# Altium PCB Hexapod_motherboard.PcbDoc (part 2 of 2)
Units mm, origin at the board's own origin, x right, y up, seen from the top; angles counter-clockwise.
Board outline 86 x 86 mm, 2 copper layers (Top Layer, Bottom Layer); 190 components, 154 nets, 690 pads, 82 vias.
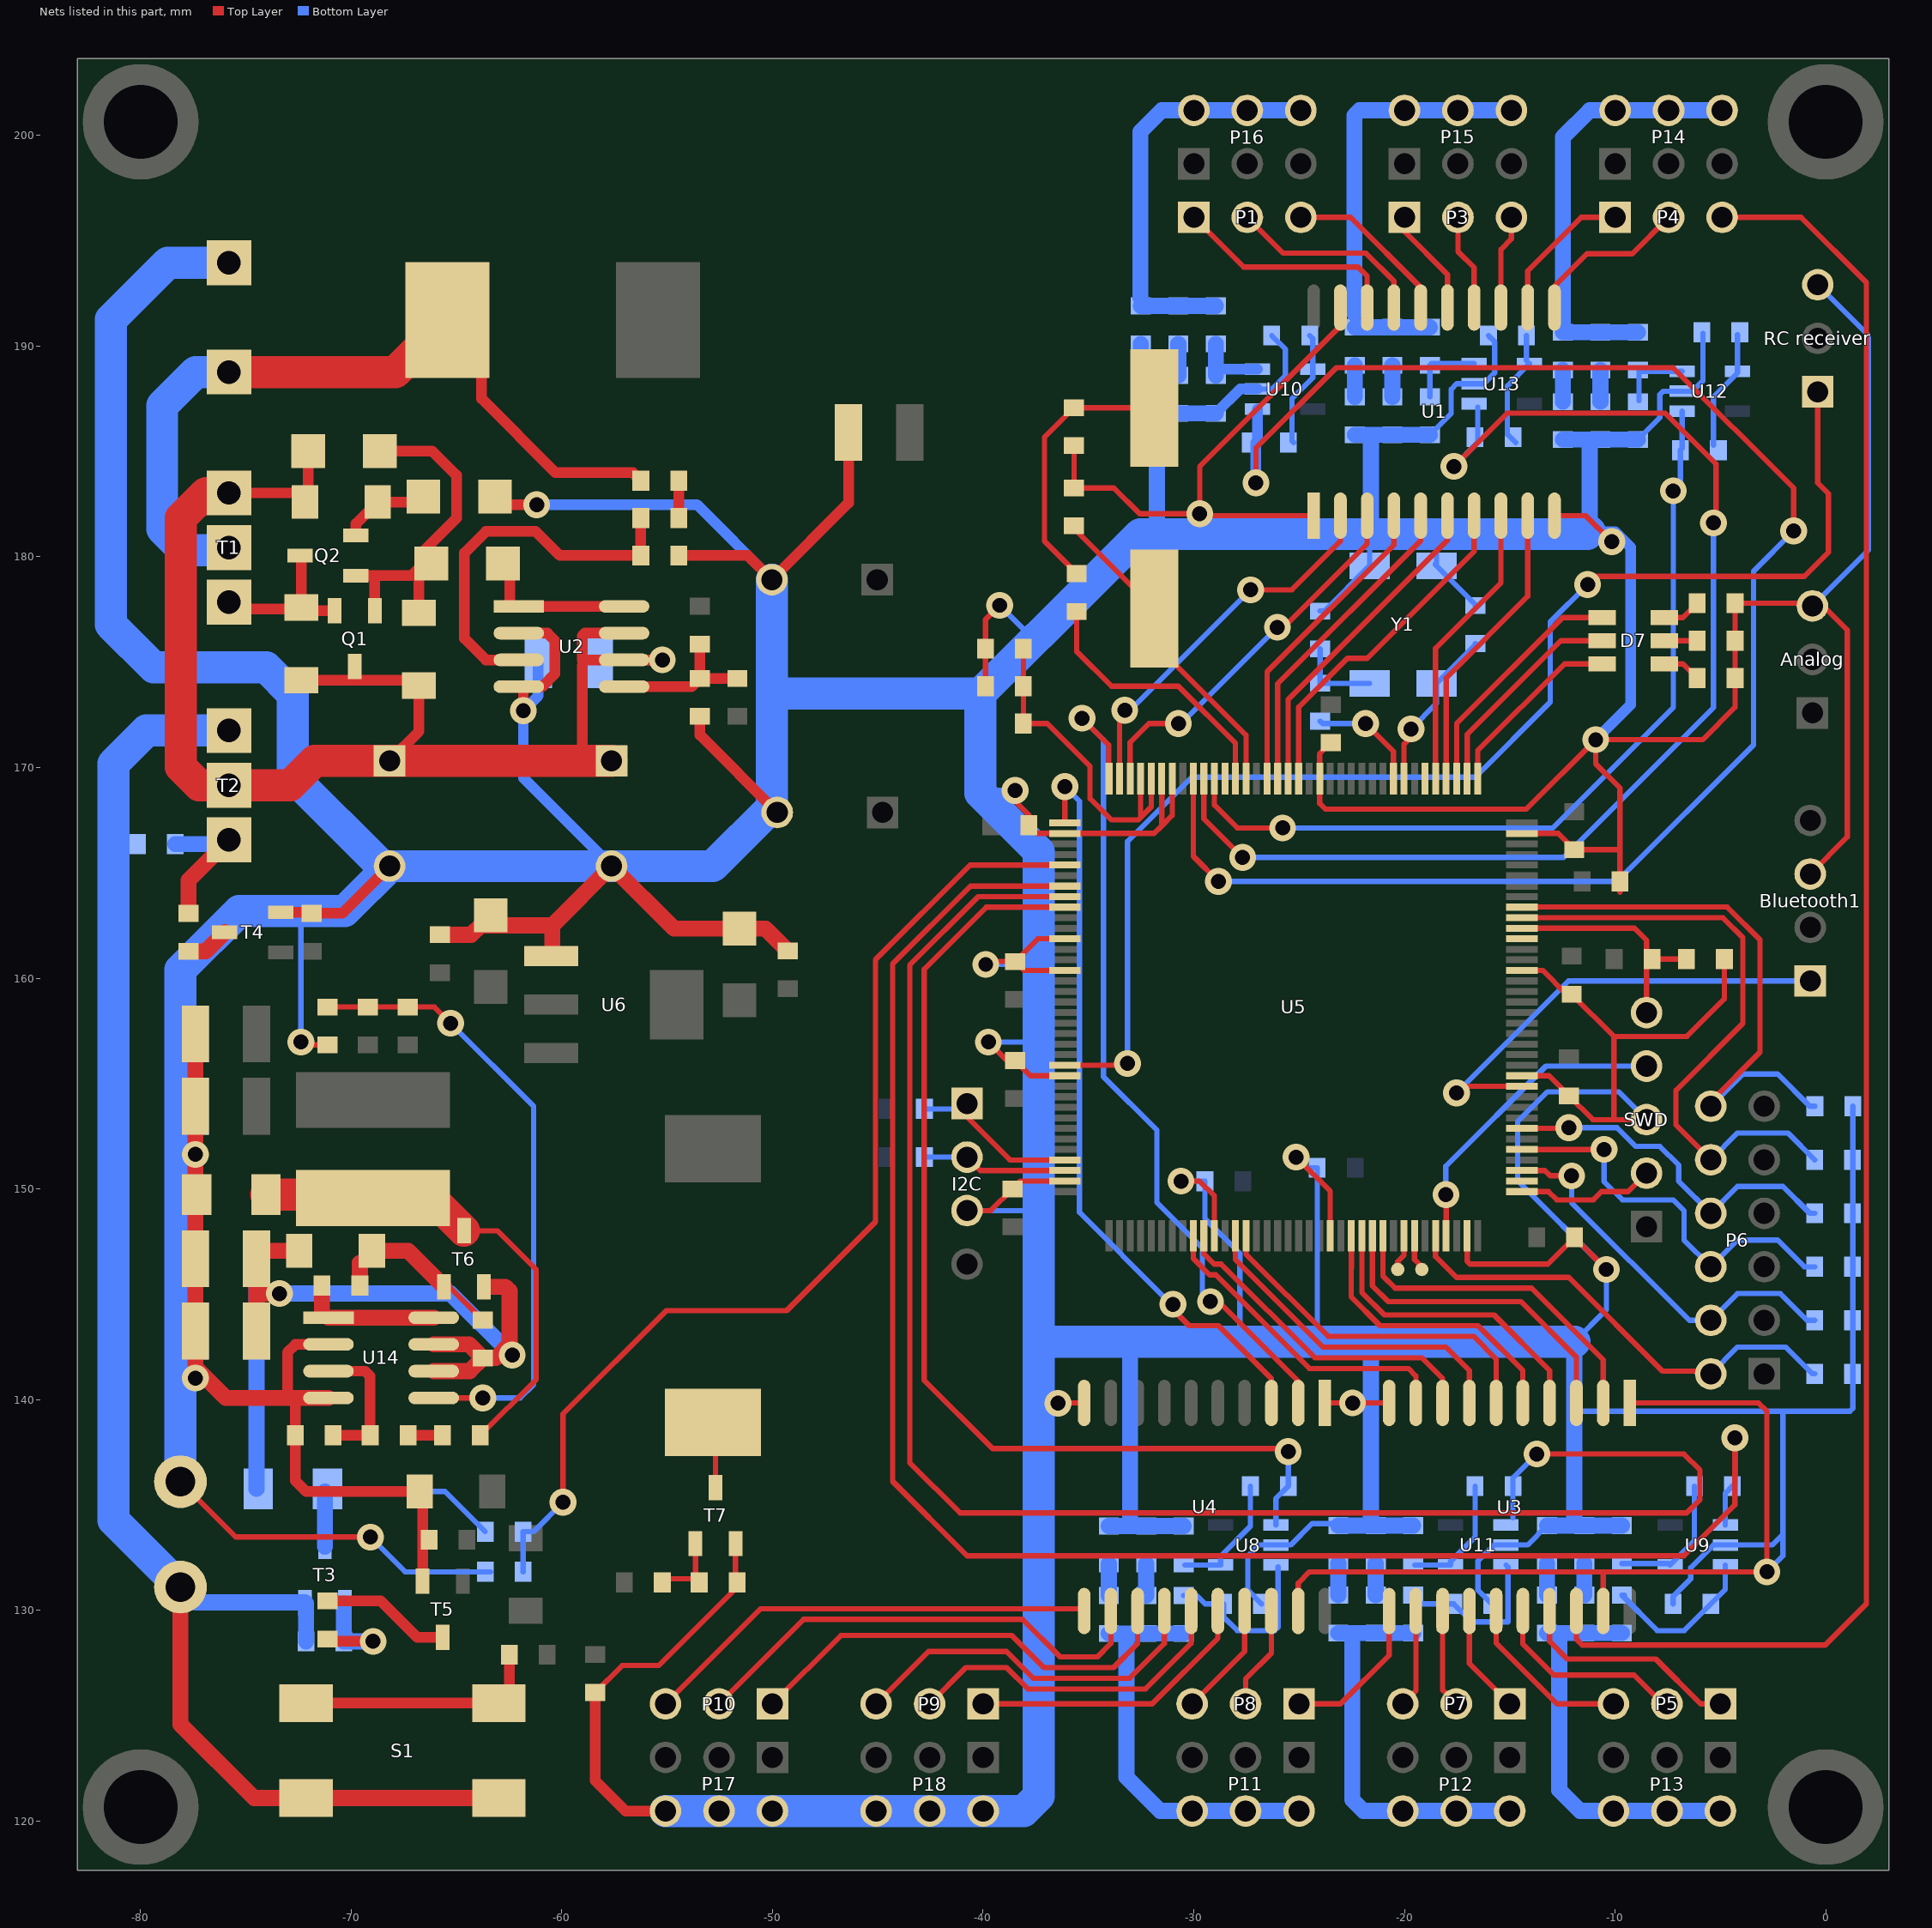
[diagram p2: the nets of this part, all layers, seen from the top]

## Via types
v1: diameter 1.27, hole 0.711, Top Layer to Bottom Layer, 82 vias

## Nets (pads, with @x,y where several pads share a name; then routed paths per layer and width w, separated by ;. In a path a pad name is that pad's centre, name@x,y a point inside that pad or via, vN(x,y) a via of type N, cw(c..) or ccw(c..) an arc to the next point about the centre after c; other vN are vias at no path point) (continued)
GND: "RC receiver.3" Analog.3 Bluetooth1.3 C1.N C2.N C3.1 C4.N C5.N C6.1 C9.2 C10.1 C11.2 C12.2 C13.1 C14.1 C15.1 C16.1 C17.1 C18.1 C19.1 C20.1 C21.1 C22.1 C23.1 C24.1 C25.1 C26.1 C27.1 C28.1 C29.1 C30.1 C32.1 C33.1 C34.1 C35.1 C36.1 C37.1 C38.1 C39.1 C41.2 C42.2 C46.1 C47.1 C48.1 C49.1 C50.1 C51.1 D3.A D8.A D9.A I2C.3 P2.2 P17.4 P17.5 P17.6 P18.4 P18.5 P18.6 R7.1 R9.1 R10.2 R11.1 R14.1 R15.2 R16.2 R17.2 R18.2 R19.2 R20.2 R21.2 R22.2 R34.2 R42.1 R43.2 R44.2 R45.1 R53.1 R54.1 R56.1 R57.1 R59.1 R60.1 R62.1 R65.1 R66.1 R76.1 R77.1 R78.1 R79.1 R80.1 R81.1 R85.1 R86.1 R87.1 SWD.3 T4.S T5.S T7.S U1.1 U1.10 U1.19 U2.2 U2.4 U3.1 U3.10 U3.19 U4.1 U4.10 U4.19 U5.16 U5.30 U5.31 U5.38 U5.48 U5.51 U5.61 U5.71 U5.83 U5.94 U5.107 U5.120 U5.130 U5.143 U6.1 U8.2 U9.2 U10.2 U11.2 U12.2 U13.2 U14.2 U14.4 Y1.2 Y1.3 | length 865
  Top Layer w0.254: P2.2@-78.105,136.104 -75.478,133.477 v1(-69.088,133.477) ; v1@-72.252,156.834 R7.1@-71.12,156.834 ; R43.2@-58.42,126.1 -57.139,127.381 -55.397,127.381 -51.755,131.023 T7.S@-51.755,133.166 ; I2C.3@-40.767,148.971 -39.635,148.971 C28.1@-38.608,149.998 -38.233,150.373 U5.71@-36.123,150.373 ; C19.1@-39.889,173.863 C18.1@-39.889,175.641 -39.889,177.027 v1(-39.218,177.698) ; v1(-39.878,160.655) -39.74,160.793 C21.1@-38.481,160.793 ; v1(-39.751,156.972) -38.873,156.094 C27.1@-38.481,156.094 -37.76,155.373 U5.61@-36.123,155.373 ; v1(-38.481,168.91) -38.481,168.402 -37.835,167.756 C23.1@-37.835,167.259 -37.449,166.873 U5.38@-36.123,166.873 -31.882,166.873 -31.523,167.232 ; v1(-36.449,139.827) -36.435,139.841 U4.10@-35.207,139.841 ; U5.51@-36.123,160.373 -38.061,160.373 C21.1@-38.481,160.793 ; U5.48@-36.123,161.873 -37.401,161.873 C21.1@-38.481,160.793 ; C17.1@-35.687,185.282 C16.1@-35.687,183.272 -33.793,183.272 -32.567,182.046 v1(-29.718,182.046) ; U5.31@-31.523,169.473 -31.523,167.232 ; U5.30@-31.023,169.473 -31.023,167.732 -31.523,167.232 ; v1(-30.607,150.368) -29.718,150.368 -29.023,149.673 U5.83@-29.023,147.773 ; v1(-25.146,151.511) -23.523,149.888 U5.94@-23.523,147.773 ; U4.19@-25.047,129.961 -25.047,131.29 -24.511,131.826 v1(-2.794,131.826) -2.794,139.446 -3.189,139.841 U3.1@-9.299,139.841 ; U1.1@-24.31,181.955 -29.809,181.955 v1(-29.718,182.046) ; U4.1@-23.777,139.841 v1(-22.465,139.841) U3.10@-20.729,139.841 ; C24.1@-23.495,171.185 -24.023,170.657 U5.16@-24.023,169.473 -24.023,168.295 -23.749,168.021 -14.224,168.021 v1(-10.922,171.323) ; U1.19@-23.04,191.835 -23.04,190.955 -29.718,184.277 v1(-29.718,182.046) ; U5.107@-17.023,147.773 -17.023,146.563 -16.891,146.431 -13.197,146.431 C29.1@-11.927,147.701 -11.927,147.69 v1(-10.414,146.177) ; U5.120@-14.423,155.373 -13.133,155.373 -12.192,154.432 C26.1@-12.192,154.421 -11.06,153.289 SWD.3@-8.509,153.289 ; U5.130@-14.423,160.373 -13.434,160.373 -12.308,159.247 C25.1@-12.065,159.247 -10.056,157.238 ; U5.143@-14.423,166.873 -12.706,166.873 C22.1@-11.938,166.105 -9.779,166.105 ; U1.10@-12.88,181.955 -11.394,181.955 v1(-10.16,180.721) ; U3.19@-10.569,129.961 -10.569,131.798 ; -10.056,153.312 -10.056,157.238 ; -9.768,164.084 R34.2@-9.768,164.592 -9.768,169.026 -10.922,170.18 v1(-10.922,171.323) ; C42.2@-4.815,160.909 -4.815,159.015 -6.592,157.238 -10.056,157.238 ; Analog.3@-0.762,177.8 R16.2@-4.307,177.8 R15.2@-4.307,176.022 R10.2@-4.307,174.244 -4.307,172.858 -5.842,171.323 v1(-10.922,171.323) ; Bluetooth1.3@-0.739,164.949 1.016,166.704 1.016,176.53 -0.127,177.673 Analog.3@-0.635,177.673
  Top Layer w0.508: T4.S@-73.349,163.129 -71.932,163.129 R42.1@-71.882,163.079 -70.419,163.079 C1.N@-68.179,165.319 C1.N@-68.484,165.624 ; -73.025,140.081 -73.025,142.24 -72.644,142.621 U14.2@-71.08,142.621 ; -72.655,139.711 C41.2@-72.655,138.303 -72.655,136.155 -72.136,135.636 D8.A@-66.749,135.636 -66.609,135.496 T5.S@-66.609,131.375 ; R11.1@-63.177,182.475 v1(-61.194,182.475) ; U2.2@-62.043,176.379 -60.686,176.379 -60.335,176.028 -60.335,174.444 -60.94,173.839 -61.829,173.839 v1(-61.829,172.696) ; R43.2@-58.42,126.1 -58.42,121.92 -56.977,120.477 P17.6@-55.08,120.477 ; C9.2@-54.452,180.062 -51.172,180.062 C5.N@-50.029,178.919 -46.388,182.56 C6.1@-46.388,185.904 ; R14.1@-53.447,172.431 -53.447,171.542 C4.N@-49.775,167.87
  Top Layer w0.762: C37.1@-77.396,157.353 C36.1@-77.396,153.924 v1(-77.396,151.638) C35.1@-77.396,146.685 C32.1@-77.396,143.256 -77.396,141.531 -75.946,140.081 -73.025,140.081 U14.4@-71.08,140.081 ; C10.1@-65.786,162.063 -64.3,162.063 -63.858,162.505 -60.452,162.505 ; U6.1@-60.506,161.05 -60.452,161.104 -60.452,162.505 ; C12.2@-49.276,161.301 -50.33,162.355 C13.1@-51.562,162.355 -54.674,162.355 C2.N@-57.638,165.319 -60.452,162.505
  Bottom Layer w0.254: v1(-72.39,156.972) -72.39,162.966 ; v1(-69.088,133.477) -67.437,131.826 R44.2@-63.638,131.826 R44.2@-63.384,131.826 ; I2C.3@-40.767,148.971 -37.62,148.971 -37.366,149.225 ; -40.386,168.91 -40.132,168.91 v1(-38.481,168.91) ; v1(-39.878,160.655) -37.493,160.655 ; v1(-39.751,156.972) -37.366,156.972 ; v1(-39.218,177.698) -37.772,176.253 ; v1@-36.576,139.7 v1(-36.449,139.827) ; v1(-30.607,150.368) C20.1@-29.475,150.368 -29.475,148.601 -27.813,146.939 -27.813,142.753 ; v1(-29.718,182.046) v1@-29.464,181.792 ; U10.2@-26.981,187.965 -26.284,187.965 -25.654,188.595 -25.654,189.859 R66.1@-26.3,190.505 ; C46.1@-26.786,130.307 -27.432,130.953 -27.432,132.593 -26.924,133.101 U8.2@-26.105,133.101 -25.4,133.101 -24.384,134.117 -23.236,134.117 R76.1@-23.142,134.023 ; v1(-25.146,151.511) -24.638,151.003 C30.1@-24.141,151.003 -24.141,142.891 ; C15.1@-24.003,177.43 -23.801,177.43 Y1.2@-21.653,179.578 -21.653,181.016 ; v1(-22.465,139.841) -21.604,139.841 ; C51.1@-18.796,185.795 -17.78,186.811 -17.78,187.96 -17.521,188.219 U13.2@-16.694,188.219 -16.23,188.219 -15.713,188.736 -15.713,190.205 R87.1@-16.013,190.505 ; Y1.3@-18.542,179.641 Y1.3@-18.479,179.578 ; -18.479,181.016 Y1.3@-18.479,179.578 ; C14.1@-16.637,177.684 -16.637,177.737 Y1.3@-18.479,179.578 ; C49.1@-15.864,130.307 -16.51,130.953 -16.51,132.339 -15.748,133.101 U11.2@-15.183,133.101 -14.158,133.101 R57.1@-13.236,134.023 ; -11.938,139.451 1.148,139.451 1.281,139.584 R22.2@1.281,153.924 ; -11.938,141.102 -11.678,141.362 ; -11.938,142.753 -10.414,144.277 v1(-10.414,146.177) -14.63,150.393 -14.63,153.187 -13.208,154.61 -9.83,154.61 SWD.3@-8.509,153.289 ; C50.1@-8.918,185.563 -7.874,186.607 -7.874,187.706 -7.72,187.86 U12.2@-6.816,187.86 -6.323,187.86 -5.835,188.348 R86.1@-5.835,190.608 ; C47.1@-7.25,130.307 -7.25,130.66 -6.415,131.495 -6.415,132.02 -5.334,133.101 U9.2@-4.769,133.101 -2.54,133.101 -2.032,133.609 ; v1(-2.794,131.826) -2.032,132.588 -2.032,133.609 ; -2.032,139.319 -2.032,133.609 ; Analog.3@-0.635,177.673 2.032,180.34 2.032,190.5 -0.381,192.913
  Bottom Layer w0.508: v1(-61.194,182.475) -53.585,182.475 C5.N@-50.029,178.919 ; C3.1@-61.12,175.109 -61.12,173.405 v1(-61.829,172.696) -61.829,169.51 C2.N@-57.638,165.319 ; C4.N@-50.029,168.124 C4.N@-49.775,167.87 ; C48.1@-28.956,186.811 -27.802,187.965 U10.2@-26.981,187.965 ; -11.204,181.201 -10.005,181.201 -9.271,180.467 -9.271,172.974 v1(-10.922,171.323)
  Bottom Layer w0.762: v1(-77.396,141.023) C33.1@-77.396,143.256 C34.1@-77.396,146.685 v1(-77.396,151.638) C39.1@-77.396,153.924 C38.1@-77.396,157.353 ; R53.1@-34.036,134.001 R54.1@-32.258,134.001 R62.1@-30.48,134.001 ; -33.02,134.371 -33.02,142.753 ; R59.1@-32.512,186.811 R60.1@-30.734,186.811 C48.1@-28.956,186.811 ; -31.75,181.079 -31.75,186.563 ; R76.1@-23.142,134.023 R77.1@-21.364,134.023 R85.1@-19.586,134.023 ; R81.1@-22.352,185.795 R80.1@-20.574,185.795 C51.1@-18.796,185.795 ; R77.1@-21.59,134.371 -21.59,142.753 ; -21.59,181.079 -21.59,185.674 ; R57.1@-13.236,134.023 R56.1@-11.458,134.023 R65.1@-9.68,134.023 ; R79.1@-12.474,185.563 R78.1@-10.696,185.563 C50.1@-8.918,185.563 ; -11.938,134.371 -11.938,139.451 -11.938,141.102 -11.938,142.753 ; -11.204,181.201 -11.204,185.42
  Bottom Layer w1.524: P2.2@-78.105,136.104 -78.105,160.401 -75.311,163.195 -70.303,163.195 C1.N@-68.179,165.319 ; D3.A@-75.799,193.956 -78.708,193.956 -81.402,191.262 -81.402,176.784 -79.37,174.752 -74.036,174.752 -72.766,173.482 -72.766,169.545 -68.54,165.319 C1.N@-68.179,165.319 ; P17.6@-55.08,120.477 P17.5@-52.54,120.477 P17.4@-50,120.477 P18.6@-45.08,120.477 P18.5@-42.54,120.477 P18.4@-40,120.477 -38.074,120.477 -37.366,121.185 -37.366,142.753 ; C5.N@-50.029,178.919 -50.029,173.509 ; -11.938,142.753 -21.59,142.753 -27.813,142.753 -33.02,142.753 -37.366,142.753 ; -11.204,181.201 -11.326,181.079 -21.59,181.079 -31.75,181.079 -32.54,181.079 -37.366,176.253 -37.388,176.253 -40.132,173.509 ; C1.N@-68.179,165.319 C2.N@-57.638,165.319 -52.834,165.319 -50.029,168.124 -50.029,173.509 ; -50.029,173.509 -40.132,173.509 ; -40.132,173.509 -40.132,168.91 -40.132,168.783 -37.366,166.017 -37.366,156.972 -37.366,149.225 -37.366,142.753
INPUT_1: P6.7 R17.1 U5.104 | length 22.3
  Top Layer w0.254: U5.104@-18.523,147.773 -18.523,146.793 -17.526,145.796 -12.192,145.796 -7.747,141.351 P6.7@-5.461,141.351
  Bottom Layer w0.254: P6.7@-5.461,141.224 -4.191,142.494 -1.905,142.494 -0.635,141.224 R17.1@-0.53,141.224
INPUT_2: P6.8 R18.1 U5.111 | length 18.6
  Top Layer w0.254: U5.111@-14.423,150.873 -13.332,150.873 -13.081,150.622 v1(-12.065,150.622)
  Bottom Layer w0.254: v1(-12.065,150.622) -12.065,149.352 -6.477,143.764 P6.8@-5.461,143.764 -4.191,145.034 -2.159,145.034 -0.889,143.764 R18.1@-0.53,143.764
INPUT_3: P6.9 R19.1 U5.113 | length 19
  Top Layer w0.254: U5.113@-14.423,151.873 v1(-10.522,151.873)
  Bottom Layer w0.254: v1(-10.522,151.873) -10.522,150.349 -9.652,149.479 -7.239,149.479 -6.731,148.971 -6.731,147.574 P6.9@-5.461,146.304 -4.191,147.574 -2.286,147.574 -1.016,146.304 R19.1@-0.53,146.304
INPUT_4: P6.10 R20.1 U5.115 | length 17.3
  Top Layer w0.254: U5.115@-14.423,152.873 -12.284,152.873 v1@-12.065,152.654
  Bottom Layer w0.254: v1(-12.192,152.908) -9.906,152.908 -9.017,152.019 -7.874,152.019 -6.985,151.13 -6.985,150.368 P6.10@-5.461,148.844 -4.191,150.114 -2.032,150.114 -0.762,148.844 R20.1@-0.53,148.844
INPUT_5: P6.11 R21.1 U5.135 | length 29.4
  Top Layer w0.254: U5.135@-14.423,162.873 -4.885,162.873 -3.937,161.925 -3.937,157.861 -7.112,154.686 -7.112,153.035 P6.11@-5.461,151.384
  Bottom Layer w0.254: P6.11@-5.461,151.384 -4.191,152.654 -1.8,152.654 R21.1@-0.53,151.384
INPUT_6: P6.12 R22.1 U5.136 | length 27
  Top Layer w0.254: U5.136@-14.423,163.381 -4.675,163.381 -3.124,161.831 -3.124,156.489 -5.461,154.153 P6.12@-5.461,153.924
  Bottom Layer w0.254: P6.12@-5.461,153.924 -3.937,155.448 -2.286,155.448 -0.762,153.924 R22.1@-0.519,153.924
LED_B: D7.A1 U5.1 | length 8.9
  Top Layer w0.254: U5.1@-16.523,169.473 -16.523,170.802 -12.403,174.922 D7.A1@-10.619,174.922
LED_G: D7.A2 U5.2 | length 10.3
  Top Layer w0.254: U5.2@-17.023,169.473 -17.023,171.572 -12.573,176.022 D7.A2@-10.619,176.022
LED_R: D7.A3 U5.3 | length 11.6
  Top Layer w0.254: U5.3@-17.523,169.473 -17.523,172.088 -12.489,177.122 D7.A3@-10.619,177.122
LEG_1: R61.2 U5.45 U8.1 | length 49.8
  Top Layer w0.254: U5.45@-36.123,163.373 -39.852,163.373 -42.799,160.426 -42.799,140.919 -39.553,137.673 -25.654,137.673 v1(-25.516,137.535)
  Bottom Layer w0.254: U8.1@-26.105,134.051 -26.105,135.306 R61.2@-25.516,135.895 v1(-25.516,137.535)
LEG_2: R82.2 U5.44 U11.1 | length 84.1
  Top Layer w0.254: U5.44@-36.123,163.873 -40.241,163.873 -43.485,160.63 -43.485,137.008 -41.097,134.62 -6.604,134.62 -5.969,135.255 -5.969,136.652 -6.736,137.419 v1(-13.716,137.419)
  Bottom Layer w0.254: -14.848,134.386 R82.2@-14.848,135.895 -14.848,136.287 v1(-13.716,137.419)
LEG_3: R63.2 U5.43 U9.1 | length 84.2
  Top Layer w0.254: U5.43@-36.123,164.373 -40.605,164.373 -44.298,160.68 -44.298,136.119 -40.767,132.588 -6.731,132.588 -4.318,135.001 v1(-4.318,138.181)
  Bottom Layer w0.254: U9.1@-4.769,134.051 -4.769,135.56 R63.2@-4.434,135.895 -4.318,136.011 v1(-4.318,138.181)
LEG_4: R83.2 U5.26 U12.1 | length 40
  Top Layer w0.254: U5.26@-29.023,169.473 -29.023,168.215 -27.94,167.132 v1(-25.781,167.132)
  Bottom Layer w0.254: v1(-25.781,167.132) -12.954,167.132 -7.239,172.847 v1(-7.239,183.134) -6.897,183.476 R83.2@-6.897,185.066 ; R83.2@-6.816,185.147 U12.1@-6.816,186.91
LEG_5: R84.2 U5.27 U13.1 | length 59.2
  Top Layer w0.254: U5.27@-29.523,169.473 -29.523,167.572 v1(-27.686,165.735) ; v1(-17.653,184.293) -15.129,186.817 -7.62,186.817 -5.207,184.404 -5.207,181.61 v1(-5.334,181.61)
  Bottom Layer w0.254: v1(-27.686,165.735) -12.446,165.735 -5.334,172.847 v1(-5.334,181.61) ; v1(-17.653,184.293) -16.521,185.425 U13.1@-16.521,187.096
LEG_6: R64.2 U5.28 U10.1 | length 81
  Top Layer w0.254: U5.28@-30.023,169.473 -30.023,165.786 v1(-28.829,164.592) ; v1(-27.051,183.515) -27.051,185.166 -23.241,188.976 -7.239,188.976 -1.524,183.261 v1(-1.524,181.229)
  Bottom Layer w0.254: v1(-28.829,164.592) -9.906,164.592 -3.429,171.069 -3.429,179.324 v1(-1.524,181.229)
  Bottom Layer w0.508: R64.2@-27.062,185.425 -27.062,183.526 v1(-27.051,183.515) ; R64.2@-26.981,185.506 U10.1@-26.981,187.015
NetBuzzer1_2: Buzzer1.2 T7.D | length 3.1
  Top Layer w0.254: Buzzer1.2@-52.832,138.915 -52.705,138.788 T7.D@-52.705,135.82
NetC1_P: C1.P C2.P C3.2 D1.K D2.K D4.K Q1.C R1.2 T1.S T2.D U2.6 U2.7 | length 65.4
  Top Layer w0.508: T1.S@-75.545,183.034 -72.343,183.034 -72.038,182.729 R1.2@-72.038,185.015 ; D2.K@-72.37,174.146 -67.036,174.146 D1.K@-66.782,173.892 -66.782,171.716 C1.P@-68.179,170.319 C1.P@-68.484,170.624 ; -59.035,170.319 -59.035,174.855 ; U2.6@-58.22,175.109 -59.035,175.109 -59.035,176.252 -58.908,176.379 U2.7@-57.043,176.379 ; U2.6@-57.043,175.109 v1(-55.225,175.109)
  Top Layer w1.524: T1.S@-75.545,183.034 -76.891,183.034 -78.085,181.84 -78.085,170.038 -77.211,169.164 T2.D@-75.799,169.164 -72.893,169.164 -71.738,170.319 C1.P@-68.179,170.319 -59.289,170.319 ; -59.035,170.319 C2.P@-57.638,170.319
  Bottom Layer w0.508: C3.2@-58.22,175.109 v1(-55.225,175.109)
NetC7_1: C7.1 R3.2 | length 1.8
  Top Layer w0.508: C7.1@-54.452,181.84 R3.2@-54.452,183.618
NetC7_2: C7.2 C9.1 U2.3 | length 19
  Top Layer w0.508: U2.3@-61.194,175.109 U2.3@-62.043,175.109 -63.607,175.109 -64.623,176.125 -64.623,180.189 -63.607,181.205 -61.24,181.205 -60.097,180.062 C9.1@-56.252,180.062 C7.2@-56.252,181.84
NetC8_1: C8.1 R13.1 R14.2 U2.5 | length 7.2
  Top Layer w0.508: U2.5@-57.043,173.839 -53.839,173.839 R14.2@-53.447,174.231 ; C8.1@-53.447,175.86 R14.2@-53.447,174.231 ; R13.1@-51.669,174.231 R14.2@-53.447,174.231
NetC15_2: C15.2 R31.2 Y1.1 | length 4
  Bottom Layer w0.254: C15.2@-24.003,175.63 R31.2@-24.003,174.001 -23.992,173.99 Y1.1@-21.653,173.99
NetC17_2: C17.2 R32.2 Y2.1 | length 12.9
  Top Layer w0.254: R32.2@-35.56,179.208 -37.084,180.732 -37.084,185.685 -35.698,187.071 Y2.1@-31.877,187.071
NetC31_1: C31.1 R2.2 | length 1.6
  Top Layer w0.508: C31.1@-67.299,138.303 R2.2@-65.67,138.303
NetC31_2: C31.2 C41.1 U14.3 | length 6.6
  Top Layer w0.508: U14.3@-71.08,141.351 -69.342,141.351 -69.099,141.108 C31.2@-69.099,138.303 C41.1@-70.855,138.303
NetC40_1: C40.1 R6.1 R7.2 U14.5 | length 29.9
  Top Layer w0.254: R7.2@-71.12,158.634 -66.051,158.634 v1(-65.278,157.861) ; U14.5@-66.08,140.081 v1(-63.754,140.081)
  Bottom Layer w0.254: v1(-65.278,157.861) -61.341,153.924 -61.341,140.716 -61.976,140.081 v1(-63.754,140.081)
NetC46_2: C46.2 R52.1 U8.3 | length 8.5
  Bottom Layer w0.254: R52.1@-30.48,130.699 -29.856,130.699 -29.464,130.307 C46.2@-28.586,130.307 -28.586,129.683 -27.94,129.037 -26.162,129.037 -26.005,129.194 U8.3@-26.005,132.051
NetC47_2: C47.2 R58.1 U9.3 | length 7.7
  Bottom Layer w0.254: R58.1@-9.558,130.721 R58.1@-9.68,130.721 -7.996,129.037 -6.72,129.037 C47.2@-5.45,130.307 -4.769,130.988 U9.3@-4.769,132.151
NetC48_2: C48.2 R55.1 U10.3 | length 3.2
  Bottom Layer w0.508: C48.2@-28.652,188.915 U10.3@-26.981,188.915
  Bottom Layer w0.762: C48.2@-28.956,188.611 R55.1@-28.956,190.113
NetC49_2: C49.2 R73.1 U11.3 | length 7.8
  Bottom Layer w0.254: R73.1@-19.586,130.721 -19.172,130.307 C49.2@-17.664,130.307 -16.805,129.448 -15.083,129.448 -15.083,132.051 U11.3@-15.183,132.151
NetC50_2: C50.2 R74.1 U12.3 | length 3.4
  Bottom Layer w0.254: C50.2@-8.863,187.418 -8.863,188.81 U12.3@-6.816,188.81
NetC51_2: C51.2 R75.1 U13.3 | length 3.5
  Bottom Layer w0.254: C51.2@-18.796,187.595 R75.1@-18.796,189.097 ; R75.1@-18.724,189.169 U13.3@-16.694,189.169
NetD1_A: D1.A Q1.B Q2.B R1.1 R12.2 | length 16
  Top Layer w0.508: Q2.B@-69.773,179.112 -67.146,179.112 R12.2@-66.782,179.476 ; Q1.B@-68.88,177.452 -68.88,178.919 ; R1.1@-68.638,185.015 -66.147,185.015 -65.004,183.872 -65.004,181.84 -66.577,180.267 -66.577,179.681 R12.2@-66.782,179.476 ; D1.A@-66.782,177.342 R12.2@-66.782,179.476
NetD2_A: D2.A Q1.E Q2.C T1.G | length 7.3
  Top Layer w0.508: T1.G@-75.545,177.852 -75.875,177.522 D2.A@-72.624,177.522 ; Q2.C@-72.37,179.808 D2.A@-72.37,177.596 -72.226,177.452 Q1.E@-71.1,177.452
NetD3_K: D3.K L1.1 R3.1 T1.D | length 35.4
  Top Layer w0.508: L1.1@-63.81,188.774 -63.81,187.504 -60.305,183.999 -56.633,183.999 R3.1@-56.252,183.618
  Top Layer w1.524: D3.K@-75.799,188.774 -67.896,188.774 L1.1@-65.432,191.238 ; T1.D@-75.672,180.316 T1.D@-75.545,180.443
  Bottom Layer w1.524: D3.K@-75.799,188.774 -77.374,188.774 -78.974,187.174 -78.974,181.332 -77.958,180.316 T1.D@-75.672,180.316
NetD4_A: D4.A Q2.E R11.2 | length 4.2
  Top Layer w0.508: Q2.E@-69.773,181.012 -69.773,181.569 D4.A@-68.74,182.602 -66.704,182.602 R11.2@-66.577,182.475
NetD5_A: D5.A R41.1 T3.D | length 11
  Bottom Layer w0.254: D5.A@-71.247,135.642 -65.549,135.642 R41.1@-63.638,133.731
  Bottom Layer w0.762: T3.D@-71.247,133.026 D5.A@-71.247,135.642
NetD7_K1: D7.K1 R10.1 | length 1.8
  Top Layer w0.254: D7.K1@-7.669,174.922 -6.785,174.922 R10.1@-6.107,174.244
NetD7_K2: D7.K2 R15.1 | length 1.6
  Top Layer w0.254: D7.K2@-7.669,176.022 R15.1@-6.107,176.022
NetD7_K3: D7.K3 R16.1 | length 1.8
  Top Layer w0.254: D7.K3@-7.669,177.122 -6.785,177.122 R16.1@-6.107,177.8
NetD9_K: D9.K L4.1 R2.1 T6.D | length 23
  Top Layer w0.254: T6.D@-64.643,148.012 -63.062,148.012 -61.214,146.164 -61.214,140.959 R2.1@-63.87,138.303
  Top Layer w0.762: L4.1@-68.961,149.567 L4.1@-66.198,149.567
  Top Layer w1.524: D9.K@-74.047,149.733 L4.1@-69.127,149.733 ; L4.1@-66.198,149.567 T6.D@-64.643,148.012
NetD10_A: D10.A R4.1 R5.2 T6.G | length 7.4
  Top Layer w0.254: T6.G@-65.337,145.358 R4.1@-63.754,143.775
  Top Layer w0.762: R5.2@-69.585,145.415 D10.A@-69.585,146.495 ; D10.A@-69.014,147.066 -67.301,147.066 T6.G@-65.593,145.358
NetP1_1: P1.1 U1.18 | length 10.9
  Top Layer w0.254: P1.1@-30,196.115 -27.638,193.753 -22.202,193.753 -21.77,193.321 U1.18@-21.77,191.835
NetP1_2: P1.2 U1.17 | length 9.5
  Top Layer w0.254: P1.2@-27.46,196.115 -25.758,194.413 -21.821,194.413 -20.5,193.092 U1.17@-20.5,191.835
NetP1_3: P1.3 U1.16 | length 8
  Top Layer w0.254: P1.3@-24.92,196.115 -22.558,196.115 -19.23,192.788 U1.16@-19.23,191.835
NetP3_1: P3.1 U1.15 | length 5.1
  Top Layer w0.254: P3.1@-20,196.115 -20,195.437 -17.96,193.397 U1.15@-17.96,191.835
NetP3_2: P3.2 U1.14 | length 4.6
  Top Layer w0.254: P3.2@-17.46,196.115 -17.46,194.497 -16.69,193.727 U1.14@-16.69,191.835
NetP3_3: P3.3 U1.13 | length 4.5
  Top Layer w0.254: U1.13@-15.42,191.835 -15.42,194.591 -14.92,195.091 P3.3@-14.92,196.115
NetP4_1: P4.1 U1.12 | length 6.9
  Top Layer w0.254: U1.12@-14.15,191.835 -14.15,193.575 -11.61,196.115 P4.1@-10,196.115
NetP4_2: P4.2 U1.11 | length 7.8
  Top Layer w0.254: U1.11@-12.88,191.835 -12.88,192.838 -11.331,194.388 -9.187,194.388 P4.2@-7.46,196.115
NetP4_3: P4.3 U3.18 | length 86.9
  Top Layer w0.254: U3.18@-11.839,129.961 -11.839,128.627 -11.56,128.348 -0.028,128.348 1.928,130.304 1.928,193.017 -1.17,196.115 P4.3@-4.92,196.115
NetP5_1: P5.1 U3.17 | length 10.8
  Top Layer w0.254: U3.17@-13.109,129.961 -13.109,128.526 -12.271,127.687 -8.071,127.687 -5.941,125.557 P5.1@-5,125.557
NetP5_2: P5.2 U3.16 | length 9.6
  Top Layer w0.254: U3.16@-14.379,129.961 -14.379,128.399 -12.906,126.925 -9.096,126.925 -7.727,125.557 P5.2@-7.54,125.557
NetP5_3: P5.3 U3.15 | length 8.3
  Top Layer w0.254: U3.15@-15.649,129.961 -15.649,128.449 -12.757,125.557 P5.3@-10.08,125.557
NetP7_1: P7.1 U3.14 | length 5.2
  Top Layer w0.254: U3.14@-16.919,129.961 -16.919,127.476 P7.1@-15,125.557
NetP7_2: P7.2 U3.13 | length 4.7
  Top Layer w0.254: U3.13@-18.189,129.961 -18.189,126.206 P7.2@-17.54,125.557
NetP7_3: P7.3 U3.12 | length 4.7
  Top Layer w0.254: P7.3@-20.08,125.557 -19.459,126.178 U3.12@-19.459,129.961
NetP8_1: P8.1 U3.11 | length 7.3
  Top Layer w0.254: P8.1@-25,125.557 -23.037,125.557 -20.729,127.865 U3.11@-20.729,129.961
NetP8_2: P8.2 U4.18 | length 4.9
  Top Layer w0.254: P8.2@-27.54,125.557 -27.54,126.746 -26.317,127.969 U4.18@-26.317,129.961
NetP8_3: P8.3 U4.17 | length 5.4
  Top Layer w0.254: P8.3@-30.08,125.557 -27.587,128.05 U4.17@-27.587,129.961
NetP9_1: P9.1 U4.16 | length 13.7
  Top Layer w0.254: P9.1@-40,125.557 -31.978,125.557 -28.857,128.678 U4.16@-28.857,129.961
NetP9_2: P9.2 U4.15 | length 16
  Top Layer w0.254: P9.2@-42.54,125.557 -40.816,127.281 -38.89,127.281 -37.874,126.265 -32.286,126.265 -30.127,128.424 U4.15@-30.127,129.961
NetP9_3: P9.3 U4.14 | length 17.5
  Top Layer w0.254: P9.3@-45.08,125.557 -42.594,128.043 -38.89,128.043 -37.62,126.773 -33.048,126.773 -31.397,128.424 U4.14@-31.397,129.961
NetP10_1: P10.1 U4.13 | length 21.3
  Top Layer w0.254: P10.1@-50,125.557 -46.752,128.805 -38.636,128.805 -37.112,127.281 -33.81,127.281 -32.667,128.424 U4.13@-32.667,129.961
NetP10_2: P10.2 U4.12 | length 22.8
  Top Layer w0.254: P10.2@-52.54,125.557 -48.53,129.567 -38.128,129.567 -36.35,127.789 -34.572,127.789 -33.937,128.424 U4.12@-33.937,129.961
NetP10_3: P10.3 U4.11 | length 21.8
  Top Layer w0.254: P10.3@-55.08,125.557 -50.562,130.075 -35.321,130.075 U4.11@-35.207,129.961
NetP11_4: P11.4 P11.5 P11.6 R46.2 R47.2 R52.2 | length 18.8
  Bottom Layer w0.762: R46.2@-34.036,128.899 R47.2@-32.258,128.899 R52.2@-30.48,128.899 ; -33.2,128.449 -33.2,122.074 -31.603,120.477 P11.6@-30.08,120.477 P11.5@-27.54,120.477 P11.4@-25,120.477
NetP12_4: P12.4 P12.5 P12.6 R67.2 R68.2 R73.2 | length 18.9
  Bottom Layer w0.762: R67.2@-23.142,128.921 R68.2@-21.364,128.921 R73.2@-19.586,128.921 ; -22.482,128.627 -22.482,121.007 -21.951,120.477 P12.6@-20.08,120.477 P12.5@-17.54,120.477 P12.4@-15,120.477
NetP13_4: P13.4 P13.5 P13.6 R48.2 R49.2 R58.2 | length 18.9
  Bottom Layer w0.762: R49.2@-13.236,128.921 R48.2@-11.458,128.921 R58.2@-9.68,128.921 ; -12.652,128.783 -12.652,121.464 -11.664,120.477 P13.6@-10.08,120.477 P13.5@-7.54,120.477 P13.4@-5,120.477
NetP14_4: P14.4 P14.5 P14.6 R69.2 R70.2 R74.2 | length 20.9
  Bottom Layer w0.762: R74.2@-8.918,190.665 R69.2@-10.696,190.665 R70.2@-12.474,190.665 -12.474,199.925 -11.204,201.195 P14.4@-10,201.195 P14.5@-7.46,201.195 P14.6@-4.92,201.195
NetP15_4: P15.4 P15.5 P15.6 R71.2 R72.2 R75.2 | length 20.5
  Bottom Layer w0.762: -22.38,191.543 -22.38,200.941 -22.126,201.195 P15.4@-20,201.195 P15.5@-17.46,201.195 P15.6@-14.92,201.195 ; R72.2@-22.352,190.897 R71.2@-20.574,190.897 R75.2@-18.796,190.897
NetP16_4: P16.4 P16.5 P16.6 R50.2 R51.2 R55.2 | length 19.5
  Bottom Layer w0.762: R50.2@-32.54,192.305 -32.54,200.179 -31.524,201.195 P16.4@-30,201.195 P16.5@-27.46,201.195 P16.6@-24.92,201.195 ; R50.2@-32.512,191.913 R51.2@-30.734,191.913 R55.2@-28.956,191.913
NetR5_1: R5.1 U14.1 U14.8 | length 6.2
  Top Layer w0.762: -71.385,144.196 R5.1@-71.385,145.415 ; U14.1@-71.08,143.891 U14.8@-66.08,143.891
NetR8_2: R8.2 R9.2 T7.G | length 3.3
  Top Layer w0.254: R8.2@-55.234,131.318 -55.057,131.495 -53.655,131.495 T7.G@-53.655,133.166
NetR12_1: R12.1 U2.1 U2.8 | length 7
  Top Layer w0.508: R12.1@-62.464,179.3 -62.464,177.776 -62.337,177.649 U2.1@-62.043,177.649 U2.8@-57.043,177.649
NetR36_1: R36.1 R38.2 T2.G | length 6.9
  Top Layer w0.762: R38.2@-77.724,163.079 -77.724,164.648 T2.G@-75.799,166.573
  Bottom Layer w0.762: R36.1@-78.348,166.37 -76.002,166.37 T2.G@-75.799,166.573
NetR37_1: R37.1 S1.2 | length 11.6
  Top Layer w0.508: S1.2@-72.136,125.593 S1.2@-62.992,125.593 -62.495,126.09 R37.1@-62.495,127.889
NetR38_1: R38.1 T4.D | length 2.1
  Top Layer w0.762: R38.1@-77.724,161.279 -76.903,161.279 T4.D@-76.003,162.179
NetR39_1: R39.1 R40.1 T3.G | length 5.2
  Top Layer w0.508: R40.1@-71.004,128.524 v1(-68.961,128.524)
  Bottom Layer w0.762: T3.G@-70.347,130.322 R39.1@-70.347,128.524 v1(-68.961,128.524)
NetR40_2: R40.2 T5.D | length 6.2
  Top Layer w0.508: R40.2@-71.12,130.44 -68.591,130.44 -66.872,128.721 T5.D@-65.659,128.721
NetR46_1: R46.1 R53.2 | length 1.5
  Bottom Layer w0.762: R46.1@-34.036,130.699 R53.2@-34.036,132.201
NetR47_1: R47.1 R54.2 | length 1.5
  Bottom Layer w0.762: R47.1@-32.258,130.699 R54.2@-32.258,132.201
NetR48_1: R48.1 R56.2 | length 1.5
  Bottom Layer w0.762: R48.1@-11.458,130.721 R56.2@-11.458,132.223
NetR49_1: R49.1 R57.2 | length 1.5
  Bottom Layer w0.762: R49.1@-13.236,130.721 R57.2@-13.236,132.223
NetR50_1: R50.1 R59.2 | length 1.5
  Bottom Layer w0.762: R59.2@-32.512,188.611 R50.1@-32.512,190.113
NetR51_1: R51.1 R60.2 | length 1.5
  Bottom Layer w0.762: R60.2@-30.734,188.611 R51.1@-30.734,190.113
NetR61_1: R61.1 R62.2 U8.4 | length 6
  Bottom Layer w0.254: R62.2@-30.43,132.151 U8.4@-28.732,132.151 -28.732,132.563 -27.316,133.979 R61.1@-27.316,135.895
NetR63_1: R63.1 R65.2 U9.4 | length 6.4
  Bottom Layer w0.254: R65.2@-9.68,132.223 U9.4@-7.468,132.223 ; U9.4@-7.396,132.151 -6.234,133.313 R63.1@-6.234,135.895
NetR64_1: R64.1 R66.2 U10.4 | length 5.6
  Bottom Layer w0.254: R64.1@-25.262,185.425 -25.335,185.498 -25.335,187.517 -24.354,188.498 U10.4@-24.354,188.915 -24.354,190.359 R66.2@-24.5,190.505
NetR67_1: R67.1 R76.2 | length 1.5
  Bottom Layer w0.762: R67.1@-23.142,130.721 R76.2@-23.142,132.223
NetR68_1: R68.1 R77.2 | length 1.5
  Bottom Layer w0.762: R68.1@-21.364,130.721 R77.2@-21.364,132.223
NetR69_1: R69.1 R78.2 | length 1.5
  Bottom Layer w0.762: R78.2@-10.696,187.363 R69.1@-10.696,188.865
NetR70_1: R70.1 R79.2 | length 1.5
  Bottom Layer w0.762: R79.2@-12.474,187.363 R70.1@-12.474,188.865
NetR71_1: R71.1 R80.2 | length 1.5
  Bottom Layer w0.762: R80.2@-20.574,187.595 R71.1@-20.574,189.097
NetR72_1: R72.1 R81.2 | length 1.5
  Bottom Layer w0.762: R81.2@-22.352,187.595 R72.1@-22.352,189.097
NetR82_1: R82.1 R85.2 U11.4 | length 5.9
  Bottom Layer w0.254: R85.2@-19.514,132.151 U11.4@-17.81,132.151 -17.81,132.309 -16.648,133.471 R82.1@-16.648,135.895
NetR83_1: R83.1 R86.2 U12.4 | length 5.7
  Bottom Layer w0.254: R83.1@-5.334,185.303 -5.334,187.579 -4.189,188.724 U12.4@-4.189,188.81 R86.2@-4.189,190.546
NetR84_1: R84.1 R87.2 U13.4 | length 5.5
  Bottom Layer w0.254: R84.1@-14.721,185.425 -15.113,185.817 -15.113,188.123 U13.4@-14.067,189.169 ; U13.4@-14.213,189.315 R87.2@-14.213,190.505
NRST: C42.1 R35.1 SWD.5 U5.134 | length 11.2
  Top Layer w0.254: U5.134@-14.423,162.373 -9.084,162.373 -8.509,161.798 SWD.5@-8.509,158.369 ; R35.1@-8.244,160.909 C42.1@-6.615,160.909
NTRST: U5.25
OSC32_IN: C14.2 U5.8 Y1.4 | length 7.8
  Top Layer w0.254: U5.8@-20.023,169.473 -20.023,171.112 -19.685,171.45 v1(-19.685,171.831)
  Bottom Layer w0.254: v1(-19.685,171.831) -18.479,173.037 Y1.4@-18.479,173.99 -16.637,175.832 C14.2@-16.637,175.884
OSC32_OUT: R31.1 U5.9 | length 5.4
  Top Layer w0.254: v1(-21.844,172.085) -20.523,170.764 U5.9@-20.523,169.473
  Bottom Layer w0.254: R31.1@-24.003,172.201 -23.887,172.085 v1(-21.844,172.085)
OSC_IN: C16.2 U5.23 Y2.2 | length 13.7
  Top Layer w0.254: C16.2@-35.687,181.472 -35.687,181.356 Y2.2@-31.877,177.546 ; Y2.2@-31.877,175.895 -27.523,171.541 U5.23@-27.523,169.473
OSC_OUT: R32.1 U5.24 | length 12.9
  Top Layer w0.254: R32.1@-35.56,177.408 -35.56,175.514 -33.909,173.863 -30.734,173.863 -28.023,171.152 U5.24@-28.023,169.473
PROG_RX: pad.0@-19.177,146.177 U5.102 | length 1.7
  Top Layer w0.254: U5.102@-19.523,147.773 -19.523,146.65 -19.304,146.431 pad.0@-19.304,146.177
PROG_TX: pad.0@-20.32,146.177 U5.101 | length 1.7
  Top Layer w0.254: pad.0@-20.32,146.177 -20.32,146.558 -20.023,146.855 U5.101@-20.023,147.773
SCL: I2C.1 R24.1 U5.69 | length 7.9
  Top Layer w0.254: I2C.1@-40.767,154.051 -40.767,153.416 -38.724,151.373 U5.69@-36.123,151.373
  Bottom Layer w0.254: R24.1@-42.788,153.797 I2C.1@-41.021,153.797
SDA: I2C.2 R23.1 U5.70 | length 6.9
  Top Layer w0.254: I2C.2@-40.767,151.511 -40.129,150.873 U5.70@-36.123,150.873
  Bottom Layer w0.254: R23.1@-42.788,151.511 I2C.2@-40.767,151.511
SERVO_PWM1: U1.2 U5.35 | length 18.1
  Top Layer w0.254: U5.35@-33.523,169.473 -33.523,172.471 v1(-33.274,172.72) ; v1(-27.305,178.435) -25.349,178.435 -23.04,180.744 U1.2@-23.04,181.955
  Bottom Layer w0.254: v1(-33.274,172.72) -33.02,172.72 v1(-27.305,178.435)
SERVO_PWM2: U1.3 U5.34 | length 18.2
  Top Layer w0.254: U5.34@-33.023,169.473 -33.023,171.193 -32.131,172.085 v1(-30.734,172.085) ; v1(-26.035,176.657) -25.73,176.657 -21.77,180.617 U1.3@-21.77,181.955
  Bottom Layer w0.254: v1(-30.734,172.085) -30.607,172.085 v1(-26.035,176.657)
SERVO_PWM3: U1.4 U5.21 | length 15
  Top Layer w0.254: U5.21@-26.523,169.473 -26.523,174.543 -20.5,180.566 U1.4@-20.5,181.955
SERVO_PWM4: U1.5 U5.20 | length 15.3
  Top Layer w0.254: U5.20@-26.023,169.473 -26.023,173.977 -19.23,180.769 U1.5@-19.23,181.955
SERVO_PWM5: U1.6 U5.19 | length 15.6
  Top Layer w0.254: U5.19@-25.523,169.473 -25.523,173.232 -17.96,180.795 U1.6@-17.96,181.955
SERVO_PWM6: U1.7 U5.18 | length 16.5
  Top Layer w0.254: U5.18@-25.023,169.473 -25.023,172.868 -22.711,175.18 -21.771,175.18 -16.69,180.261 U1.7@-16.69,181.955
SERVO_PWM7: U1.8 U5.5 | length 13.8
  Top Layer w0.254: U5.5@-18.523,169.473 -18.523,175.66 -15.42,178.763 U1.8@-15.42,181.955
SERVO_PWM8: U1.9 U5.4 | length 14.1
  Top Layer w0.254: U5.4@-18.023,169.473 -18.023,174.255 -14.15,178.128 U1.9@-14.15,181.955
SERVO_PWM9: U3.2 U5.99 | length 16.1
  Top Layer w0.254: U5.99@-21.023,147.773 -21.023,145.864 -20.447,145.288 -13.97,145.288 -10.569,141.887 U3.2@-10.569,139.841
SERVO_PWM10: U3.3 U5.98 | length 15.6
  Top Layer w0.254: U5.98@-21.523,147.773 -21.523,145.399 -20.777,144.653 -14.478,144.653 -11.839,142.014 U3.3@-11.839,139.841
SERVO_PWM11: U3.4 U5.97 | length 14.7
  Top Layer w0.254: U5.97@-22.023,147.773 -22.023,145.086 -20.955,144.018 -15.748,144.018 -13.109,141.379 U3.4@-13.109,139.841
SERVO_PWM12: U3.5 U5.96 | length 14
  Top Layer w0.254: U5.96@-22.523,147.773 -22.523,146.237 -22.531,146.229 -22.531,144.876 -21.165,143.51 -16.51,143.51 -14.379,141.379 U3.5@-14.379,139.841
SERVO_PWM13: U3.6 U5.86 | length 16.9
  Top Layer w0.254: U5.86@-27.523,147.773 -27.523,146.903 -23.622,143.002 -16.72,143.002 -15.649,141.931 U3.6@-15.649,139.841
SERVO_PWM14: U3.7 U5.85 | length 16
  Top Layer w0.254: U5.85@-28.023,147.773 -28.023,146.641 -23.876,142.494 -18.034,142.494 -16.919,141.379 U3.7@-16.919,139.841
SERVO_PWM15: U3.8 U5.82 | length 15.8
  Top Layer w0.254: U5.82@-29.523,147.773 -29.523,146.915 -29.039,146.431 -28.702,146.431 -24.257,141.986 -19.177,141.986 -18.189,140.998 U3.8@-18.189,139.841
SERVO_PWM16: U3.9 U5.81 | length 15.2
  Top Layer w0.254: U5.81@-30.023,147.773 -30.023,146.696 -29.25,145.923 -28.956,145.923 -24.511,141.478 -19.812,141.478 -19.459,141.125 U3.9@-19.459,139.841
SERVO_PWM17: U4.2 U5.36 | length 41.2
  Top Layer w0.254: v1(-35.306,172.339) -34.036,171.069 -34.036,169.486 U5.36@-34.023,169.473 ; v1@-29.591,144.653 -29.464,144.78 -28.956,144.78 -25.047,140.871 U4.2@-25.047,139.841
  Bottom Layer w0.254: v1(-35.306,172.339) -34.29,171.323 -34.29,155.321 -31.75,152.781 -31.75,149.352 -29.591,147.193 -29.591,144.653 -29.337,144.907 v1@-29.337,145.034
  other v1: -29.21,144.653
SERVO_PWM18: U4.3 U5.37 | length 35.9
  Top Layer w0.254: U5.37@-36.123,167.373 v1(-36.123,169.092) ; v1@-31.242,144.526 -30.226,143.51 -28.829,143.51 -26.317,140.998 U4.3@-26.317,139.841
  Bottom Layer w0.254: v1(-36.123,169.092) -35.433,168.402 -35.433,148.888 -31.369,144.824 v1@-31.369,144.526 ; v1@-31.242,144.399 v1@-31.242,144.526
  other v1: -30.988,144.526
SERVO_SINGNAL_IN: "RC receiver.1" U5.60 | length 62.6
  Top Layer w0.254: U5.60@-36.123,155.873 -33.23,155.873 v1(-33.147,155.956) ; v1(-11.303,178.689) -10.922,179.07 -1.016,179.07 0.127,180.213 0.127,183.007 -0.381,183.515 -0.381,187.833
  Bottom Layer w0.254: v1(-33.147,155.956) -33.147,166.497 -30.099,169.545 -16.637,169.545 -13.081,173.101 -13.081,176.911 v1(-11.303,178.689)
TCK: SWD.2 U5.109 | length 6.6
  Top Layer w0.254: U5.109@-14.423,149.873 -13.163,149.873 -12.769,149.479 -11.038,149.479 -10.644,149.873 -9.385,149.873 SWD.2@-8.509,150.749
TDI: U5.110
TDO: U5.133
TMS: SWD.4 U5.105 | length 14.8
  Top Layer w0.254: v1(-18.034,149.733) -18.023,149.722 U5.105@-18.023,147.773
  Bottom Layer w0.254: v1(-18.034,149.733) -18.034,151.079 -13.284,155.829 SWD.4@-8.509,155.829
UC_2_BT: Bluetooth1.1 U5.119 | length 22.2
  Top Layer w0.254: v1(-17.526,154.559) -17.212,154.873 U5.119@-14.423,154.873
  Bottom Layer w0.254: v1(-17.526,154.559) -12.216,159.869 Bluetooth1.1@-0.739,159.869
V_MES: R41.2 R44.1 U5.41 | length 50.5
  Top Layer w0.254: v1(-59.944,135.128) -59.944,139.319 -55.042,144.221 -49.327,144.221 -45.11,148.438 -45.11,160.884 -40.621,165.373 U5.41@-36.123,165.373
  Bottom Layer w0.254: R44.1@-61.838,131.826 R41.2@-61.838,133.731 -61.341,133.731 v1(-59.944,135.128)
V_PROT: C32.2 C33.2 C34.2 C35.2 D5.K D10.K R4.2 T6.S U14.6 U14.7 | length 40.8
  Top Layer w0.762: C32.2@-74.496,143.256 -74.496,145.034 ; C35.2@-74.496,146.685 -74.496,145.034 ; C35.2@-74.115,147.066 D10.K@-72.464,147.066 ; v1(-73.406,145.034) -74.496,145.034 ; U14.6@-66.08,141.351 -64.378,141.351 R4.2@-63.754,141.975 ; U14.7@-66.08,142.621 -64.4,142.621 R4.2@-63.754,141.975 ; T6.S@-63.5,145.358 -62.681,145.358 -62.484,145.161 -62.484,142.621 -63.13,141.975 R4.2@-63.754,141.975 ; v1@-62.484,142.113 v1(-62.357,142.113)
  Bottom Layer w0.762: D5.K@-74.496,135.763 C33.2@-74.496,143.256 C34.2@-74.496,146.685 ; -74.369,145.034 v1(-73.406,145.034) -65.278,145.034 v1(-62.357,142.113)
VDA: C18.2 C19.2 L2.2 U5.32 U5.33 | length 15.9
  Top Layer w0.254: C18.2@-38.089,175.641 L2.2@-38.089,172.085 -36.957,172.085 -34.925,170.053 -34.925,168.529 -33.909,167.513 -32.639,167.513 -32.523,167.629 ; U5.33@-32.523,169.473 -32.523,167.629 ; U5.32@-32.023,169.473 -32.023,168.129 -32.523,167.629
VDU_BAT: U5.6
VIN: P2.1 R36.2 R39.2 S1.1 T2.S T3.S | length 77.6
  Top Layer w0.762: P2.1@-78.105,131.104 -78.105,124.587 -74.611,121.093 S1.1@-62.992,121.093
  Bottom Layer w0.762: P2.1@-78.105,131.104 -77.373,130.372 T3.S@-72.197,130.372 ; R39.2@-72.147,128.524 T3.S@-72.147,130.322
  Bottom Layer w1.524: P2.1@-78.105,131.104 -81.28,134.279 -81.28,170.185 -79.71,171.755 T2.S@-75.799,171.755
pads on no net: U5.7 U5.10 U5.11 U5.12 U5.13 U5.14 U5.15 U5.22 U5.46 U5.49 U5.50 U5.53 U5.54 U5.55 U5.56 U5.57 U5.58 U5.59 U5.63 U5.64 U5.67 U5.68 U5.79 U5.80 U5.87 U5.88 U5.89 U5.90 U5.91 U5.92 U5.93 U5.100 U5.103 U5.106 U5.112 U5.114 U5.116 U5.117 U5.118 U5.123 U5.124 U5.125 U5.126 U5.127 U5.128 U5.129 U5.132 U5.137 U5.139 U5.140 U5.141 U5.142

## Keep-outs
Keep-Out Layer:
  the board outline again, w0.254

## Silkscreen, mask and mechanical layers (free items; w line width, h text height)
Top Solder:
  the board outline again, w0.254

## Text inside footprints (layer, text, board x,y; h text height)
C1: Top Overlay "+" at -68.941,172.442 h1.5 r270
C2: Top Overlay "+" at -58.4,172.442 h1.5 r270
C4: Top Overlay "+" at -42.652,168.632 h1.5 r180
C5: Top Overlay "+" at -42.906,179.681 h1.5 r180
P6: Top Overlay "7" at -4.953,138.684 h1.27 r90; Top Overlay "1" at -2.413,138.684 h1.27 r90; Top Overlay "6" at -2.413,155.956 h1.27 r90; Top Overlay "12" at -4.953,155.956 h1.27 r90
P11: Top Overlay "6" at -32.112,120.985 h1.27 r180; Top Overlay "3" at -32.112,123.525 h1.27 r180; Top Overlay "1" at -22.968,123.525 h1.27 r180; Top Overlay "4" at -22.46,120.985 h1.27 r180
P12: Top Overlay "6" at -22.112,120.985 h1.27 r180; Top Overlay "3" at -22.112,123.525 h1.27 r180; Top Overlay "1" at -12.968,123.525 h1.27 r180; Top Overlay "4" at -12.46,120.985 h1.27 r180
P13: Top Overlay "6" at -12.112,120.985 h1.27 r180; Top Overlay "3" at -12.112,123.525 h1.27 r180; Top Overlay "1" at -2.968,123.525 h1.27 r180; Top Overlay "4" at -2.46,120.985 h1.27 r180
P14: Top Overlay "6" at -2.888,200.687 h1.27; Top Overlay "3" at -2.888,198.147 h1.27; Top Overlay "1" at -12.032,198.147 h1.27; Top Overlay "4" at -12.54,200.687 h1.27
P15: Top Overlay "6" at -12.888,200.687 h1.27; Top Overlay "3" at -12.888,198.147 h1.27; Top Overlay "1" at -22.032,198.147 h1.27; Top Overlay "4" at -22.54,200.687 h1.27
P16: Top Overlay "6" at -22.888,200.687 h1.27; Top Overlay "3" at -22.888,198.147 h1.27; Top Overlay "1" at -32.032,198.147 h1.27; Top Overlay "4" at -32.54,200.687 h1.27
P17: Top Overlay "6" at -57.112,120.985 h1.27 r180; Top Overlay "3" at -57.112,123.525 h1.27 r180; Top Overlay "1" at -47.968,123.525 h1.27 r180; Top Overlay "4" at -47.46,120.985 h1.27 r180
P18: Top Overlay "6" at -47.112,120.985 h1.27 r180; Top Overlay "3" at -47.112,123.525 h1.27 r180; Top Overlay "1" at -37.968,123.525 h1.27 r180; Top Overlay "4" at -37.46,120.985 h1.27 r180